# Altium PCB main_control_board_1.1.0.PcbDoc (part 2 of 2)
Units mil, origin at the board's own origin, x right, y up, seen from the top; angles counter-clockwise.
Board outline 3500 x 2800 mil, 2 copper layers (Top Layer, Bottom Layer); 89 components, 79 nets, 373 pads, 122 vias.
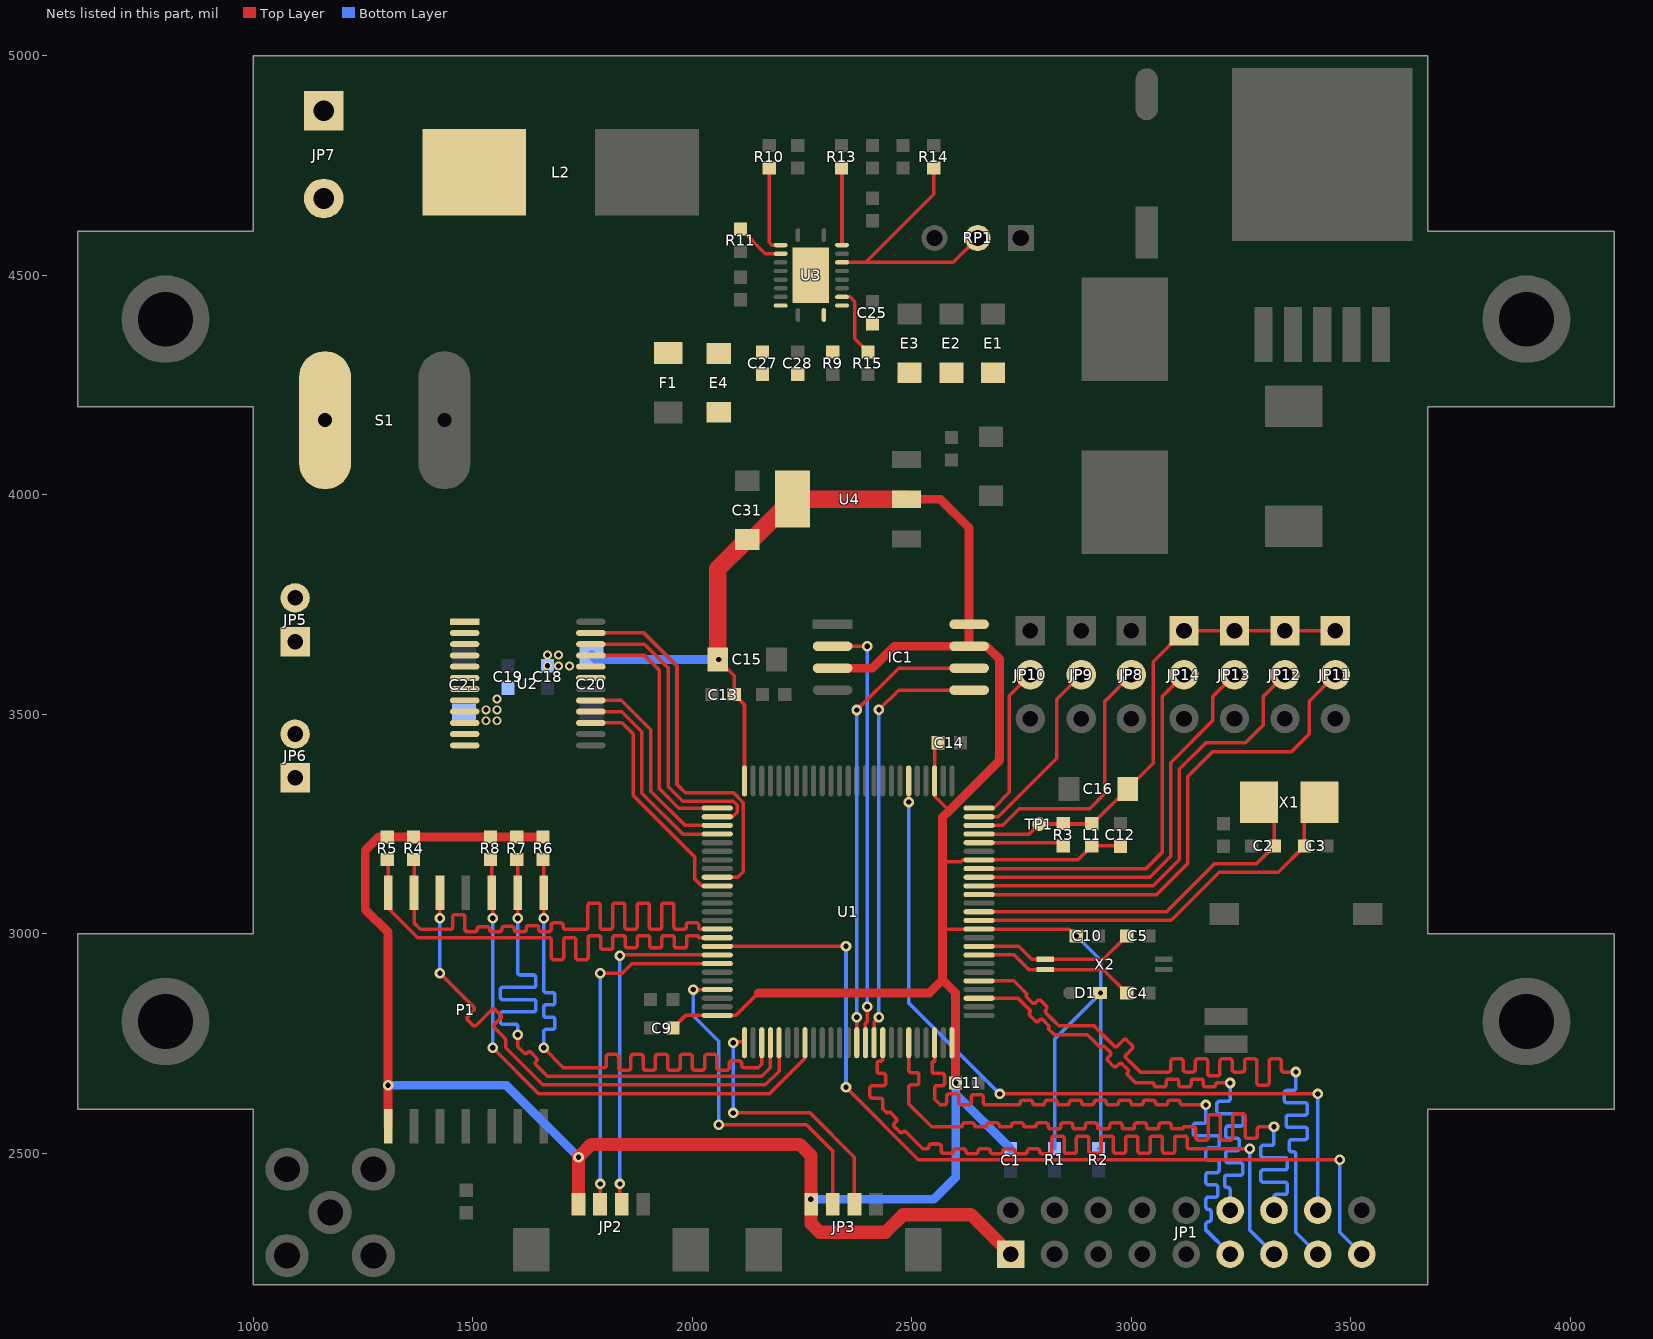
[diagram p2: the nets of this part, all layers, seen from the top]

## Via types
v1: diameter 24, hole 12, Top Layer to Bottom Layer, 98 vias
v2: diameter 20, hole 12, Top Layer to Bottom Layer, 24 vias

## Nets (pads, with @x,y where several pads share a name; then routed paths per layer and width w, separated by ;. In a path a pad name is that pad's centre, name@x,y a point inside that pad or via, vN(x,y) a via of type N, cw(c..) or ccw(c..) an arc to the next point about the centre after c; other vN are vias at no path point) (continued)
NetJP1_11: JP1.11 U1.98 | length 1535.8
  Top Layer w8: U1.98@2551.85,2751.76 2551.85,2737.76 2551.85,2709.76 2551.76,2709.76 ccw(c2551.76,2704.16) 2546.16,2704.16 2546.16,2687.36 ccw(c2551.76,2687.36) 2551.76,2681.76 2551.85,2681.76 2568.81,2681.76 cw(c2568.81,2676.16) 2574.41,2676.16 2574.41,2659.36 cw(c2568.81,2659.36) 2568.81,2653.76 2557.45,2653.76 ccw(c2557.45,2648.16) 2551.85,2648.16 2551.85,2625.76 2551.85,2623.15 2565,2610 2573.4,2610 ccw(c2573.4,2615.6) 2579,2615.6 2579,2629.41 cw(c2584.6,2629.41) 2584.6,2635.01 2601.4,2635.01 cw(c2601.4,2629.41) 2607,2629.41 2607,2615.6 ccw(c2612.6,2615.6) 2612.6,2610 2629.4,2610 ccw(c2629.4,2615.6) 2635,2615.6 2635,2627.41 cw(c2640.6,2627.41) 2640.6,2633.01 2657.4,2633.01 cw(c2657.4,2627.41) 2663,2627.41 2663,2615.6 ccw(c2668.6,2615.6) 2668.6,2610 2691,2610 2719,2610 2741.6,2610 ccw(c2741.6,2615.4) 2747,2615.4 cw(c2752.6,2615.4) 2752.6,2621 2769.4,2621 cw(c2769.4,2615.4) 2775,2615.4 ccw(c2780.4,2615.4) 2780.4,2610 2797.6,2610 ccw(c2797.6,2615.4) 2803,2615.4 cw(c2808.6,2615.4) 2808.6,2621 2825.4,2621 cw(c2825.4,2615.4) 2831,2615.4 ccw(c2836.4,2615.4) 2836.4,2610 2853.6,2610 ccw(c2853.6,2615.4) 2859,2615.4 cw(c2864.6,2615.4) 2864.6,2621 2881.4,2621 cw(c2881.4,2615.4) 2887,2615.4 ccw(c2892.4,2615.4) 2892.4,2610 2909.6,2610 ccw(c2909.6,2615.4) 2915,2615.4 cw(c2920.6,2615.4) 2920.6,2621 2937.4,2621 cw(c2937.4,2615.4) 2943,2615.4 ccw(c2948.4,2615.4) 2948.4,2610 2965.6,2610 ccw(c2965.6,2615.4) 2971,2615.4 cw(c2976.6,2615.4) 2976.6,2621 2993.4,2621 cw(c2993.4,2615.4) 2999,2615.4 ccw(c3004.4,2615.4) 3004.4,2610 3021.6,2610 ccw(c3021.6,2615.4) 3027,2615.4 cw(c3032.6,2615.4) 3032.6,2621 3049.4,2621 cw(c3049.4,2615.4) 3055,2615.4 ccw(c3060.4,2615.4) 3060.4,2610 3077.6,2610 ccw(c3077.6,2615.4) 3083,2615.4 cw(c3088.6,2615.4) 3088.6,2621 3105.4,2621 cw(c3105.4,2615.4) 3111,2615.4 ccw(c3116.4,2615.4) 3116.4,2610 3139,2610 3167,2610 v1(3170,2610)
  Bottom Layer w8: v1(3170,2610) 3170,2596 3170,2573.6 cw(c3164.4,2573.6) 3164.4,2568 3146.6,2568 ccw(c3146.6,2562.4) 3141,2562.4 3141,2545.6 ccw(c3146.6,2545.6) 3146.6,2540 3170,2540 3194.4,2540 cw(c3194.4,2534.4) 3200,2534.4 3200,2517.6 cw(c3194.4,2517.6) 3194.4,2512 3175.6,2512 ccw(c3175.6,2506.4) 3170,2506.4 3170,2489.6 ccw(c3175.6,2489.6) 3175.6,2484 3194.4,2484 cw(c3194.4,2478.4) 3200,2478.4 3200,2461.6 cw(c3194.4,2461.6) 3194.4,2456 3175.6,2456 ccw(c3175.6,2450.4) 3170,2450.4 3170,2433.6 ccw(c3175.6,2433.6) 3175.6,2428 3191.19,2428 cw(c3191.19,2422.4) 3196.79,2422.4 3196.79,2405.6 cw(c3191.19,2405.6) 3191.19,2400 3175.6,2400 ccw(c3175.6,2394.4) 3170,2394.4 3170,2377.6 ccw(c3175.6,2377.6) 3175.6,2372 3176.04,2372 cw(c3176.04,2366.4) 3181.64,2366.4 3181.64,2349.6 cw(c3176.04,2349.6) 3176.04,2344 3175.6,2344 ccw(c3175.6,2338.4) 3170,2338.4 3170,2325 JP1.11@3225,2270
NetJP1_12: JP1.12 U1.3 | length 1304.6
  Top Layer w8: U1.3@2651.26,2853.16 2665.26,2853.16 2693.26,2853.16 2721.26,2853.16 2741.84,2853.16 2751.74,2843.26 2769.32,2825.68 cw(c2767.09,2823.46) 2769.31,2821.23 ccw(c2773.27,2817.27) 2769.32,2813.31 2781.19,2801.43 ccw(c2785.15,2805.39) 2789.11,2801.43 2791.34,2803.66 cw(c2795.03,2799.97) 2798.72,2803.66 2811.14,2791.23 cw(c2807.45,2787.55) 2811.14,2783.86 2825,2770 2900,2770 2909.9,2760.1 2927.47,2742.53 ccw(c2929.7,2744.76) 2931.93,2742.53 cw(c2935.89,2738.57) 2939.85,2742.53 2951.73,2730.65 cw(c2947.77,2726.69) 2951.73,2722.73 2949.5,2720.5 2947.27,2718.27 ccw(c2951.23,2714.32) 2947.27,2710.36 2959.15,2698.48 ccw(c2963.11,2702.44) 2967.07,2698.48 2969.3,2700.7 2971.52,2702.93 cw(c2975.48,2698.97) 2979.44,2702.93 2991.32,2691.05 cw(c2987.36,2687.09) 2991.32,2683.13 ccw(c2993.55,2680.9) 2991.32,2678.68 3008.89,2661.11 3010,2660 3024,2660 3048.6,2660 cw(c3048.6,2656.6) 3052,2656.6 ccw(c3057.6,2656.6) 3057.6,2651 3074.4,2651 ccw(c3074.4,2656.6) 3080,2656.6 3080,2660 3080,2663.4 cw(c3085.6,2663.4) 3085.6,2669 3102.4,2669 cw(c3102.4,2663.4) 3108,2663.4 3108,2660 3108,2656.6 ccw(c3113.6,2656.6) 3113.6,2651 3130.4,2651 ccw(c3130.4,2656.6) 3136,2656.6 3136,2660 3136,2663.4 cw(c3141.6,2663.4) 3141.6,2669 3158.4,2669 cw(c3158.4,2663.4) 3164,2663.4 3164,2660 3164,2656.6 ccw(c3169.6,2656.6) 3169.6,2651 3186.4,2651 ccw(c3186.4,2656.6) 3192,2656.6 cw(c3195.4,2656.6) 3195.4,2660 3220,2660 v1(3225,2660)
  Bottom Layer w8: JP1.12@3225,2370 3225,2394 3225,2416.4 ccw(c3219.4,2416.4) 3219.4,2422 3217.89,2422 cw(c3217.89,2427.6) 3212.29,2427.6 3212.29,2444.4 cw(c3217.89,2444.4) 3217.89,2450 3225,2450 3248.4,2450 ccw(c3248.4,2455.6) 3254,2455.6 3254,2472.4 ccw(c3248.4,2472.4) 3248.4,2478 3225,2478 3221.1,2478 cw(c3221.1,2483.6) 3215.5,2483.6 3215.5,2500.4 cw(c3221.1,2500.4) 3221.1,2506 3225,2506 3240.45,2506 ccw(c3240.45,2511.6) 3246.05,2511.6 3246.05,2528.4 ccw(c3240.45,2528.4) 3240.45,2534 3225,2534 3221.1,2534 cw(c3221.1,2539.6) 3215.5,2539.6 3215.5,2556.4 cw(c3221.1,2556.4) 3221.1,2562 3225,2562 3249.4,2562 ccw(c3249.4,2567.6) 3255,2567.6 3255,2584.4 ccw(c3249.4,2584.4) 3249.4,2590 3225,2590 3200.6,2590 cw(c3200.6,2595.6) 3195,2595.6 3195,2612.4 cw(c3200.6,2612.4) 3200.6,2618 3219.4,2618 ccw(c3219.4,2623.6) 3225,2623.6 3225,2646 v1(3225,2660)
NetJP1_13: JP1.13 U1.92 | length 1868.4
  Top Layer w8: U1.92@2433.74,2753.75 U1.92@2433.74,2751.76 2433.74,2737.76 2433.74,2715.36 cw(c2428.14,2715.36) 2428.14,2709.76 2426.5,2709.76 ccw(c2426.5,2704.16) 2420.9,2704.16 2420.9,2687.36 ccw(c2426.5,2687.36) 2426.5,2681.76 2433.74,2681.76 2434.78,2681.76 cw(c2434.78,2676.16) 2440.38,2676.16 2440.38,2659.36 cw(c2434.78,2659.36) 2434.78,2653.76 2433.74,2653.76 2410.13,2653.76 ccw(c2410.13,2648.16) 2404.53,2648.16 2404.53,2631.36 ccw(c2410.13,2631.36) 2410.13,2625.76 2428.14,2625.76 cw(c2428.14,2620.16) 2433.74,2620.16 2433.74,2601.26 2443.04,2591.96 ccw(c2443.64,2592.55) 2444.24,2591.96 cw(c2448.2,2588) 2452.16,2591.96 2464.04,2580.08 cw(c2460.08,2576.12) 2464.04,2572.16 2463.44,2571.56 2460.36,2568.48 ccw(c2464.32,2564.52) 2460.36,2560.56 2472.24,2548.68 ccw(c2476.2,2552.64) 2480.16,2548.68 ; 2479.6,2548.12 cw(c2483.24,2544.48) 2486.88,2548.12 2503.04,2531.96 2522.84,2512.16 2525,2510 2533.6,2510 ccw(c2533.6,2515.4) 2539,2515.4 cw(c2544.6,2515.4) 2544.6,2521 2561.4,2521 cw(c2561.4,2515.4) 2567,2515.4 2567,2510 2567,2505.39 ccw(c2572.6,2505.39) 2572.6,2499.79 2589.4,2499.79 ccw(c2589.4,2505.39) 2595,2505.39 ; 2479.76,2548.28 2479.99,2548.52 ; 2595,2504.6 cw(c2600.4,2504.6) 2600.4,2510 2617.6,2510 cw(c2617.6,2504.6) 2623,2504.6 ccw(c2628.6,2504.6) 2628.6,2499 2645.4,2499 ccw(c2645.4,2504.6) 2651,2504.6 cw(c2656.4,2504.6) 2656.4,2510 2673.6,2510 cw(c2673.6,2504.6) 2679,2504.6 ccw(c2684.6,2504.6) 2684.6,2499 2701.4,2499 ccw(c2701.4,2504.6) 2707,2504.6 cw(c2712.4,2504.6) 2712.4,2510 2729.6,2510 cw(c2729.6,2504.6) 2735,2504.6 ccw(c2740.6,2504.6) 2740.6,2499 2757.4,2499 ccw(c2757.4,2504.6) 2763,2504.6 cw(c2768.4,2504.6) 2768.4,2510 2785.6,2510 cw(c2785.6,2504.6) 2791,2504.6 ccw(c2796.6,2504.6) 2796.6,2499 2813.4,2499 ccw(c2813.4,2504.6) 2819,2504.6 2819,2510 2819,2533.61 cw(c2824.6,2533.61) 2824.6,2539.21 2841.4,2539.21 cw(c2841.4,2533.61) 2847,2533.61 2847,2510 2847,2505.39 ccw(c2852.6,2505.39) 2852.6,2499.79 2869.4,2499.79 ccw(c2869.4,2505.39) 2875,2505.39 2875,2510 2875,2533.61 cw(c2880.6,2533.61) 2880.6,2539.21 2897.4,2539.21 cw(c2897.4,2533.61) 2903,2533.61 2903,2510 2903,2505.39 ccw(c2908.6,2505.39) 2908.6,2499.79 2925.4,2499.79 ccw(c2925.4,2505.39) 2931,2505.39 2931,2510 2931,2533.61 cw(c2936.6,2533.61) 2936.6,2539.21 2953.4,2539.21 cw(c2953.4,2533.61) 2959,2533.61 2959,2510 2959,2505.39 ccw(c2964.6,2505.39) 2964.6,2499.79 2981.4,2499.79 ccw(c2981.4,2505.39) 2987,2505.39 2987,2510 2987,2533.61 cw(c2992.6,2533.61) 2992.6,2539.21 3009.4,2539.21 cw(c3009.4,2533.61) 3015,2533.61 3015,2510 3015,2505.39 ccw(c3020.6,2505.39) 3020.6,2499.79 3037.4,2499.79 ccw(c3037.4,2505.39) 3043,2505.39 3043,2510 3043,2533.61 cw(c3048.6,2533.61) 3048.6,2539.21 3065.4,2539.21 cw(c3065.4,2533.61) 3071,2533.61 3071,2510 3071,2505.39 ccw(c3076.6,2505.39) 3076.6,2499.79 3093.4,2499.79 ccw(c3093.4,2505.39) 3099,2505.39 3099,2510 3099,2533.61 cw(c3104.6,2533.61) 3104.6,2539.21 3121.4,2539.21 cw(c3121.4,2533.61) 3127,2533.61 3127,2515.6 ccw(c3132.6,2515.6) 3132.6,2510 3145,2510 3165,2510 v1(3270,2510) ; 2595,2504.83 2595,2505.16
  Bottom Layer w8: v1(3270,2510) 3270,2325 JP1.13@3325,2270
NetJP1_14: JP1.14 U1.95 | length 1836.8
  Top Layer w8: U1.95@2492.8,2753.75 2492.8,2739.75 2492.8,2711.75 2492.8,2689.35 ccw(c2498.4,2689.35) 2498.4,2683.75 2510.57,2683.75 cw(c2510.57,2678.15) 2516.17,2678.15 2516.17,2661.35 cw(c2510.57,2661.35) 2510.57,2655.75 2498.4,2655.75 ccw(c2498.4,2650.15) 2492.8,2650.15 2492.8,2627.75 2492.8,2612.2 2545,2560 2559,2560 2587,2560 2611.6,2560 ccw(c2611.6,2563.4) 2615,2563.4 cw(c2620.6,2563.4) 2620.6,2569 2637.4,2569 cw(c2637.4,2563.4) 2643,2563.4 ccw(c2646.4,2563.4) 2646.4,2560 2667.6,2560 ccw(c2667.6,2563.4) 2671,2563.4 cw(c2676.6,2563.4) 2676.6,2569 2693.4,2569 cw(c2693.4,2563.4) 2699,2563.4 ccw(c2702.4,2563.4) 2702.4,2560 2723.6,2560 ccw(c2723.6,2563.4) 2727,2563.4 cw(c2732.6,2563.4) 2732.6,2569 2749.4,2569 cw(c2749.4,2563.4) 2755,2563.4 ccw(c2758.4,2563.4) 2758.4,2560 2779.6,2560 ccw(c2779.6,2563.4) 2783,2563.4 cw(c2788.6,2563.4) 2788.6,2569 2805.4,2569 cw(c2805.4,2563.4) 2811,2563.4 2811,2560 ccw(c2815.48,2560) 2815.48,2555.52 2834.52,2555.52 ccw(c2834.52,2560) 2839,2560 2839,2563.4 cw(c2844.6,2563.4) 2844.6,2569 2861.4,2569 cw(c2861.4,2563.4) 2867,2563.4 2867,2560 ccw(c2871.48,2560) 2871.48,2555.52 2890.52,2555.52 ccw(c2890.52,2560) 2895,2560 2895,2563.4 cw(c2900.6,2563.4) 2900.6,2569 2917.4,2569 cw(c2917.4,2563.4) 2923,2563.4 2923,2560 ccw(c2927.48,2560) 2927.48,2555.52 2946.52,2555.52 ccw(c2946.52,2560) 2951,2560 2951,2563.4 cw(c2956.6,2563.4) 2956.6,2569 2973.4,2569 cw(c2973.4,2563.4) 2979,2563.4 2979,2560 ccw(c2983.48,2560) 2983.48,2555.52 3002.52,2555.52 ccw(c3002.52,2560) 3007,2560 3007,2563.4 cw(c3012.6,2563.4) 3012.6,2569 3029.4,2569 cw(c3029.4,2563.4) 3035,2563.4 3035,2560 ccw(c3039.48,2560) 3039.48,2555.52 3058.52,2555.52 ccw(c3058.52,2560) 3063,2560 3063,2563.4 cw(c3068.6,2563.4) 3068.6,2569 3085.4,2569 cw(c3085.4,2563.4) 3091,2563.4 3091,2560 ccw(c3095.48,2560) 3095.48,2555.52 3114.52,2555.52 ccw(c3114.52,2560) 3119,2560 3141.4,2560 cw(c3141.4,2554.4) 3147,2554.4 3147,2535.6 ccw(c3152.6,2535.6) 3152.6,2530 3169.4,2530 ccw(c3169.4,2535.6) 3175,2535.6 3175,2560 3175,2582.36 cw(c3180.6,2582.36) 3180.6,2587.96 3197.4,2587.96 cw(c3197.4,2582.36) 3203,2582.36 3203,2560 3203,2535.6 ccw(c3208.6,2535.6) 3208.6,2530 3225.4,2530 ccw(c3225.4,2535.6) 3231,2535.6 3231,2560 3231,2584.4 cw(c3236.6,2584.4) 3236.6,2590 3253.4,2590 cw(c3253.4,2584.4) 3259,2584.4 3259,2560 3259,2539.6 ccw(c3264.6,2539.6) 3264.6,2534 3281.4,2534 ccw(c3281.4,2539.6) 3287,2539.6 3287,2554.4 cw(c3292.6,2554.4) 3292.6,2560 3315,2560 v1(3325,2560)
  Bottom Layer w8: JP1.14@3325,2370 3325,2378 3325,2400.4 cw(c3330.6,2400.4) 3330.6,2406 3349.4,2406 ccw(c3349.4,2411.6) 3355,2411.6 3355,2428.4 ccw(c3349.4,2428.4) 3349.4,2434 3325,2434 3300.6,2434 cw(c3300.6,2439.6) 3295,2439.6 3295,2456.4 cw(c3300.6,2456.4) 3300.6,2462 3325,2462 3349.4,2462 ccw(c3349.4,2467.6) 3355,2467.6 3355,2484.4 ccw(c3349.4,2484.4) 3349.4,2490 3325,2490 3300.6,2490 cw(c3300.6,2495.6) 3295,2495.6 3295,2512.4 cw(c3300.6,2512.4) 3300.6,2518 3319.4,2518 ccw(c3319.4,2523.6) 3325,2523.6 3325,2546 v1(3325,2560)
NetJP1_15: JP1.15 U1.5 | length 1850.9
  Top Layer w8: U1.5@2651.26,2892.53 2732.47,2892.53 2742.37,2882.63 2762.17,2862.83 ccw(c2765.86,2859.14) 2762.17,2855.45 2774.6,2843.03 ccw(c2778.28,2846.72) 2781.97,2843.03 2786.3,2847.36 cw(c2790.26,2843.4) 2794.22,2847.36 2806.1,2835.48 cw(c2802.14,2831.52) 2806.1,2827.56 2805.73,2827.19 ccw(c2809.69,2823.23) 2805.73,2819.27 2821.57,2803.43 2835,2790 2915,2790 2924.9,2780.1 2944.7,2760.3 2960.54,2744.46 ccw(c2964.5,2748.42) 2968.46,2744.46 2981.75,2757.76 cw(c2985.71,2753.8) 2989.67,2757.76 3001.55,2745.88 cw(c2997.59,2741.92) 3001.55,2737.96 2988.26,2724.66 ccw(c2992.22,2720.7) 2988.26,2716.74 3004.1,2700.9 3020,2685 3034,2685 3062,2685 3084.4,2685 ccw(c3084.4,2690.6) 3090,2690.6 3090,2709.4 cw(c3095.6,2709.4) 3095.6,2715 3112.4,2715 cw(c3112.4,2709.4) 3118,2709.4 3118,2690.6 ccw(c3123.6,2690.6) 3123.6,2685 3140.4,2685 ccw(c3140.4,2690.6) 3146,2690.6 3146,2709.4 cw(c3151.6,2709.4) 3151.6,2715 3168.4,2715 cw(c3168.4,2709.4) 3174,2709.4 3174,2685 3174,2681.6 ccw(c3179.6,2681.6) 3179.6,2676 3196.4,2676 ccw(c3196.4,2681.6) 3202,2681.6 3202,2685 3202,2709.4 cw(c3207.6,2709.4) 3207.6,2715 3224.4,2715 cw(c3224.4,2709.4) 3230,2709.4 3230,2690.6 ccw(c3235.6,2690.6) 3235.6,2685 3252.4,2685 ccw(c3252.4,2690.6) 3258,2690.6 3258,2709.4 cw(c3263.6,2709.4) 3263.6,2715 3280.4,2715 cw(c3280.4,2709.4) 3286,2709.4 3286,2685 3286,2660.6 ccw(c3291.6,2660.6) 3291.6,2655 3308.4,2655 ccw(c3308.4,2660.6) 3314,2660.6 3314,2685 3314,2709.4 cw(c3319.6,2709.4) 3319.6,2715 3336.4,2715 cw(c3336.4,2709.4) 3342,2709.4 3342,2690.6 ccw(c3347.6,2690.6) 3347.6,2685 3370,2685 v1(3375,2685)
  Bottom Layer w8: v1(3375,2685) 3375,2671 3375,2648.6 cw(c3369.4,2648.6) 3369.4,2643 3354.45,2643 ccw(c3354.45,2637.4) 3348.85,2637.4 3348.85,2620.6 ccw(c3354.45,2620.6) 3354.45,2615 3375,2615 3395.55,2615 cw(c3395.55,2609.4) 3401.15,2609.4 3401.15,2592.6 cw(c3395.55,2592.6) 3395.55,2587 3375,2587 3358.08,2587 ccw(c3358.08,2581.4) 3352.48,2581.4 3352.48,2564.6 ccw(c3358.08,2564.6) 3358.08,2559 3375,2559 3395.55,2559 cw(c3395.55,2553.4) 3401.15,2553.4 3401.15,2536.6 cw(c3395.55,2536.6) 3395.55,2531 3375,2531 3365.66,2531 ccw(c3365.66,2525.4) 3360.06,2525.4 3360.06,2508.6 ccw(c3365.66,2508.6) 3365.66,2503 3369.4,2503 cw(c3369.4,2497.4) 3375,2497.4 3375,2475 3375,2320 JP1.15@3425,2270
NetJP1_16: JP1.16 U1.31 | length 1787.1
  Top Layer w8: v1(2492.8,3300) U1.31@2492.8,3346.27 ; v1(2700,2635) v1(3425,2635)
  Bottom Layer w8: v1(2492.8,3300) 2492.8,2842.2 v1(2700,2635) ; JP1.16@3425,2370 v1(3425,2635)
NetJP1_17: JP1.17 U1.67 | length 2041.6
  Top Layer w8: U1.67@2058.74,2971.27 v1(2350,2971.27) ; v1(2350,2650) 2515,2485 v1(3475,2485)
  Bottom Layer w8: v1(2350,2650) v1(2350,2971.27) ; v1(3475,2485) 3475,2320 JP1.17@3525,2270
NetJP2_2: JP2.2 U1.69 | length 801.9
  Top Layer w8: JP2.2@1789.85,2384 1790,2384.15 v1(1790,2430) ; v1(1790,2910) 1840,2910 1861.9,2931.9 U1.69@2056.76,2931.9
  Bottom Layer w8: v1(1790,2430) v1(1790,2910)
NetJP2_3: JP2.3 U1.68 | length 790.1
  Top Layer w8: v1(1835,2430) 1835,2388.06 JP2.3@1839.06,2384 ; v1(1835,2950) 1836.58,2951.58 U1.68@2056.76,2951.58
  Bottom Layer w8: v1(1835,2430) v1(1835,2950)
NetJP3_2: JP3.2 U1.72 | length 794.4
  Top Layer w8: v1(2002.16,2872.84) U1.72@2058.74,2872.84 ; v1(2060,2565) 2260,2565 2319.85,2505.15 JP3.2@2319.85,2384 JP3.2@2320,2384.15
  Bottom Layer w8: v1(2002.16,2872.84) 2002.16,2812.84 2060,2755 v1(2060,2565)
NetJP3_3: JP3.3 U1.76 | length 612.2
  Top Layer w8: v1(2093.24,2591.76) 2268.24,2591.76 2369.06,2490.94 JP3.3@2369.06,2384 JP3.3@2370,2384.94 ; v1(2093.24,2751.76) 2095.22,2753.75 U1.76@2118.78,2753.75
  Bottom Layer w8: v1(2093.24,2591.76) v1(2093.24,2751.76)
NetJP5_1: JP5.1 U2.5 U2.6
NetJP5_2: JP5.2 U2.1 U2.2
NetJP6_1: JP6.1 U2.11 U2.12
NetJP6_2: JP6.2 U2.7 U2.8
NetJP7_2: JP7.2 S1.2
NetJP8_2: JP8.2 U1.23 | length 611.9
  Top Layer w8: U1.23@2653.24,3246.86 2706.86,3246.86 2745,3285 2905,3285 2940,3320 2940,3530 JP8.2@3000,3590
NetJP9_2: JP9.2 U1.24 | length 445.2
  Top Layer w8: U1.24@2653.24,3266.54 2696.54,3266.54 2830,3400 2830,3534 JP9.2@2886,3590
NetJP10_2: JP10.2 U1.25 | length 371.5
  Top Layer w8: U1.25@2653.24,3286.23 2686.23,3286.23 2722,3322 2722,3542 JP10.2@2770,3590
NetJP11_2: JP11.2 U1.15 | length 1179.3
  Top Layer w8: U1.15@2653.24,3089.38 3057.89,3089.38 3129.06,3160.54 3129.06,3359.06 3185,3415 3365,3415 3405,3455 3405,3530 JP11.2@3465,3590
NetJP12_2: JP12.2 U1.16 | length 1054.5
  Top Layer w8: U1.16@2653.24,3109.06 3049.74,3109.06 3109.37,3168.69 3109.37,3374.37 3170,3435 3260,3435 3300,3475 3300,3540 JP12.2@3350,3590
NetJP13_2: JP13.2 U1.17 | length 929.7
  Top Layer w8: U1.17@2653.24,3128.75 3041.59,3128.75 3089.68,3176.85 3089.68,3389.68 3185,3485 3185,3540 JP13.2@3235,3590
NetJP14_2: JP14.2 U1.18 | length 857.6
  Top Layer w8: U1.18@2653.24,3148.43 3033.43,3148.43 3070,3185 3070,3540 JP14.2@3120,3590
NetR3_2: R3.2 U1.21 | length 194.9
  Top Layer w8: U1.21@2653.24,3207.49 2837.51,3207.49 R3.2@2845,3200
NetR10_1: R10.1 U3.2 | length 198
  Top Layer w8: R10.1@2175,4744.41 2175,4575 2181.1,4568.9 U3.2@2201.1,4568.9
NetR11_1: R11.1 U3.3 | length 114.5
  Top Layer w8: R11.1@2110,4605.59 2166.38,4549.21 U3.3@2201.1,4549.21
NetR13_1: R13.1 U3.19 | length 175.9
  Top Layer w8: R13.1@2340,4744.41 2340.9,4743.51 U3.19@2340.9,4568.9
NetR14_2: R14.2 RP1.2 U3.17 | length 611.2
  Top Layer w8: U3.17@2340.9,4529.53 2395,4529.53 ; R14.2@2550,4744.41 2550,4684.52 2395,4529.53 ; RP1.2@2650,4585 2594.53,4529.53 2395,4529.53
NetR15_1: R15.1 U3.13 | length 160.4
  Top Layer w8: U3.13@2340.9,4450.79 2359.21,4450.79 2370,4440 2370,4355.59 R15.1@2400,4325.59
NetU1_51: U1.51 U2.21 | length 590.3
  Top Layer w8: U2.21@1768.7,3633.98 1891.02,3633.98 1925,3600 1925,3330 1968.77,3286.23 U1.51@2056.76,3286.23
NetU1_52: U1.52 U2.22 | length 709.3
  Top Layer w8: U2.22@1768.7,3659.57 1890.89,3659.57 1945,3605.46 1945,3335 1977.87,3302.13 2092.87,3302.13 2102.19,3292.82 2102.19,3277.19 2091.54,3266.54 U1.52@2056.76,3266.54
NetU1_53: U1.53 U2.17 | length 488
  Top Layer w8: U2.17@1768.7,3531.61 1838.39,3531.61 1905,3465 1905,3325 1983.14,3246.86 U1.53@2056.76,3246.86
NetU1_54: U1.54 U2.16 | length 485.6
  Top Layer w8: U2.16@1768.7,3506.02 1838.98,3506.02 1885,3460 1885,3320 1977.83,3227.17 U1.54@2056.76,3227.17
NetU1_59: U1.59 U2.23 | length 885.9
  Top Layer w8: U2.23@1768.7,3685.16 1889.84,3685.16 1965,3610 1965,3340 1983.87,3321.13 2093.67,3321.13 2116.27,3298.54 2116.27,3141.27 2103.75,3128.75 U1.59@2058.74,3128.75
NetU1_60: U1.60 U2.15 | length 553.2
  Top Layer w8: U2.15@1768.7,3480.43 1839.57,3480.43 1865,3455 1865,3315 2005,3175 2005,3125 2020.94,3109.06 U1.60@2056.76,3109.06
OSC32_IN: C4.1 U1.8 X2.1 | length 372
  Top Layer w8: U1.8@2653.24,2951.58 2733.42,2951.58 2766.8,2918.2 X2.1@2804.18,2918.2 2936.21,2918.2 C4.1@2989.41,2865
OSC32_OUT: C5.1 U1.9 X2.4 | length 370.4
  Top Layer w8: U1.9@2653.24,2971.27 2743.73,2971.27 2773.18,2941.82 X2.4@2804.18,2941.82 2936.23,2941.82 C5.1@2989.41,2995
OSC_IN: C3.2 U1.12 X1.2 | length 925.7
  Top Layer w8: U1.12@2653.24,3030.32 3090.78,3030.32 3200.46,3140 3334.41,3140 C3.2@3394.41,3200 3394.41,3265.51 X1.2@3428.9,3300
OSC_OUT: C2.2 U1.13 X1.1 | length 848.8
  Top Layer w8: U1.13@2653.24,3050.01 3080.01,3050.01 3190,3160 3285.59,3160 C2.2@3325.59,3200 3325.59,3265.51 X1.1@3291.1,3300
PGND: C19.1 C21.2 C25.1 C27.1 C28.1 E1.2 E2.2 E3.2 E4.2 JP7.1 R9.1 U2.3 U2.4 U2.9 U2.10 U3.11 U3.12 U3.21
  other v2: 1530,3485 1555,3485 1530,3510 1555,3510 1555,3535
SDIO_CK: P1.5 U1.80 | length 1258.8
  Top Layer w8: v1(1424.96,2910) 1469.98,2864.98 1501.74,2833.22 cw(c1497.78,2829.26) 1501.74,2825.3 1487.99,2811.54 ccw(c1491.95,2807.58) 1487.99,2803.62 1499.87,2791.74 ccw(c1503.83,2795.7) 1507.79,2791.74 1525.5,2809.46 1543.22,2827.17 cw(c1547.18,2823.21) 1551.14,2827.17 1563.02,2815.29 cw(c1559.06,2811.33) 1563.02,2807.37 1549.26,2793.62 ccw(c1553.22,2789.66) 1549.26,2785.7 1565.1,2769.86 1575,2759.96 1575,2740 1659.37,2655.63 2166.31,2655.63 2197.52,2686.84 U1.80@2197.52,2751.76 ; v1(1424.96,3035) P1.5@1424.96,3093.15
  Bottom Layer w8: v1(1424.96,2910) v1(1424.96,3035)
SDIO_CMD: P1.3 R8.1 U1.83 | length 1255.5
  Top Layer w8: R8.1@1540,3169.41 1543.07,3166.34 P1.3@1543.07,3093.15 1545,3091.22 v1(1545,3035) ; v1(1545,2740) 1650,2635 2175,2635 2256.57,2716.57 U1.83@2256.57,2751.76
  Bottom Layer w8: v1(1545,2740) v1(1545,3035)
SDIO_D0: P1.6 R4.2 U1.65 | length 1438.5
  Top Layer w8: R4.2@1365,3169.41 1365.91,3168.5 P1.6@1365.91,3093.15 1365.91,3024.55 1380.46,3010 1395,3010 1448.4,3010 ccw(c1448.4,3015.6) 1454,3015.6 1454,3038.18 cw(c1459.6,3038.18) 1459.6,3043.78 1476.4,3043.78 cw(c1476.4,3038.18) 1482,3038.18 1482,3010 ccw(c1487.05,3010) 1487.05,3004.95 1504.95,3004.95 ccw(c1504.95,3010) 1510,3010 1510,3010.45 cw(c1515.6,3010.45) 1515.6,3016.05 1532.4,3016.05 cw(c1532.4,3010.45) 1538,3010.45 1538,3010 ccw(c1543.05,3010) 1543.05,3004.95 1560.95,3004.95 ccw(c1560.95,3010) 1566,3010 1566,3011.06 cw(c1571.6,3011.06) 1571.6,3016.66 1588.4,3016.66 cw(c1588.4,3011.06) 1594,3011.06 1594,3010 ccw(c1599.05,3010) 1599.05,3004.95 1616.95,3004.95 ccw(c1616.95,3010) 1622,3010 1622,3013.09 cw(c1627.6,3013.09) 1627.6,3018.69 1644.4,3018.69 cw(c1644.4,3013.09) 1650,3013.09 1650,3010 ccw(c1655.05,3010) 1655.05,3004.95 1672.95,3004.95 ccw(c1672.95,3010) 1678,3010 1678,3018.91 cw(c1683.6,3018.91) 1683.6,3024.51 1700.4,3024.51 cw(c1700.4,3018.91) 1706,3018.91 1706,3015.6 ccw(c1711.6,3015.6) 1711.6,3010 1720,3010 1734.12,3010 1756.52,3010 ccw(c1756.52,3015.6) 1762.12,3015.6 1762.12,3064.4 cw(c1767.72,3064.4) 1767.72,3070 1784.52,3070 cw(c1784.52,3064.4) 1790.12,3064.4 1790.12,3015.6 ccw(c1795.72,3015.6) 1795.72,3010 1812.52,3010 ccw(c1812.52,3015.6) 1818.12,3015.6 1818.12,3064.4 cw(c1823.72,3064.4) 1823.72,3070 1840.52,3070 cw(c1840.52,3064.4) 1846.12,3064.4 1846.12,3015.6 ccw(c1851.72,3015.6) 1851.72,3010 1868.52,3010 ccw(c1868.52,3015.6) 1874.12,3015.6 1874.12,3064.4 cw(c1879.72,3064.4) 1879.72,3070 1896.52,3070 cw(c1896.52,3064.4) 1902.12,3064.4 1902.12,3015.6 ccw(c1907.72,3015.6) 1907.72,3010 1924.52,3010 ccw(c1924.52,3015.6) 1930.12,3015.6 1930.12,3064.4 cw(c1935.72,3064.4) 1935.72,3070 1952.52,3070 cw(c1952.52,3064.4) 1958.12,3064.4 1958.12,3015.6 ccw(c1963.72,3015.6) 1963.72,3010 1980.52,3010 ccw(c1980.52,3015.6) 1986.12,3015.6 1986.12,3019.72 cw(c1991.72,3019.72) 1991.72,3025.32 2008.52,3025.32 cw(c2008.52,3019.72) 2014.12,3019.72 2014.12,3015.6 ccw(c2019.72,3015.6) 2019.72,3010 2042.12,3010 2056.12,3010 U1.65@2056.76,3010.64
SDIO_D1: P1.7 R5.1 U1.66 | length 1273.9
  Top Layer w8: R5.1@1305,3169.41 1306.85,3167.56 P1.7@1306.85,3093.15 1306.85,3058.15 1374.05,2990.95 1645,2990.95 1673.16,2990.95 cw(c1673.16,2985.35) 1678.76,2985.35 1678.76,2946.55 ccw(c1684.36,2946.55) 1684.36,2940.95 1701.16,2940.95 ccw(c1701.16,2946.55) 1706.76,2946.55 1706.76,2985.35 cw(c1712.36,2985.35) 1712.36,2990.95 1729.16,2990.95 cw(c1729.16,2985.35) 1734.76,2985.35 1734.76,2946.55 ccw(c1740.36,2946.55) 1740.36,2940.95 1757.16,2940.95 ccw(c1757.16,2946.55) 1762.76,2946.55 1762.76,2990.95 cw(c1767.74,2990.95) 1767.74,2995.93 1785.77,2995.93 cw(c1785.77,2990.95) 1790.76,2990.95 1790.76,2969.97 ccw(c1796.36,2969.97) 1796.36,2964.37 1813.16,2964.37 ccw(c1813.16,2969.97) 1818.76,2969.97 1818.76,2990.95 cw(c1823.74,2990.95) 1823.74,2995.93 1841.77,2995.93 cw(c1841.77,2990.95) 1846.76,2990.95 1846.76,2973.98 ccw(c1852.36,2973.98) 1852.36,2968.38 1869.16,2968.38 ccw(c1869.16,2973.98) 1874.76,2973.98 1874.76,2990.95 cw(c1879.74,2990.95) 1879.74,2995.93 1897.77,2995.93 cw(c1897.77,2990.95) 1902.76,2990.95 1902.76,2973.18 ccw(c1908.36,2973.18) 1908.36,2967.58 1925.16,2967.58 ccw(c1925.16,2973.18) 1930.76,2973.18 1930.76,2990.95 cw(c1935.74,2990.95) 1935.74,2995.93 1953.77,2995.93 cw(c1953.77,2990.95) 1958.76,2990.95 1958.76,2973.18 ccw(c1964.36,2973.18) 1964.36,2967.58 1981.16,2967.58 ccw(c1981.16,2973.18) 1986.76,2973.18 1986.76,2990.95 cw(c1991.74,2990.95) 1991.74,2995.93 2009.77,2995.93 cw(c2009.77,2990.95) 2014.76,2990.95 2042.76,2990.95 U1.66@2056.76,2990.95
SDIO_D2: P1.1 R6.1 U1.78 | length 1410.6
  Top Layer w8: R6.1@1660,3169.41 1661.18,3168.23 P1.1@1661.18,3093.15 v1(1661.18,3035) ; v1(1661.18,2740) 1706.18,2695 1790,2695 1798.4,2695 ccw(c1798.4,2700.6) 1804,2700.6 1804,2719.4 cw(c1809.6,2719.4) 1809.6,2725 1826.4,2725 cw(c1826.4,2719.4) 1832,2719.4 1832,2695 1832,2694.91 ccw(c1837.6,2694.91) 1837.6,2689.31 1854.4,2689.31 ccw(c1854.4,2694.91) 1860,2694.91 1860,2695 1860,2719.4 cw(c1865.6,2719.4) 1865.6,2725 1882.4,2725 cw(c1882.4,2719.4) 1888,2719.4 1888,2695 1888,2694.91 ccw(c1893.6,2694.91) 1893.6,2689.31 1910.4,2689.31 ccw(c1910.4,2694.91) 1916,2694.91 1916,2695 1916,2719.4 cw(c1921.6,2719.4) 1921.6,2725 1938.4,2725 cw(c1938.4,2719.4) 1944,2719.4 1944,2695 1944,2694.91 ccw(c1949.6,2694.91) 1949.6,2689.31 1966.4,2689.31 ccw(c1966.4,2694.91) 1972,2694.91 1972,2695 1972,2719.4 cw(c1977.6,2719.4) 1977.6,2725 1994.4,2725 cw(c1994.4,2719.4) 2000,2719.4 2000,2695 2000,2694.91 ccw(c2005.6,2694.91) 2005.6,2689.31 2022.4,2689.31 ccw(c2022.4,2694.91) 2028,2694.91 2028,2695 2028,2719.4 cw(c2033.6,2719.4) 2033.6,2725 2050.4,2725 cw(c2050.4,2719.4) 2056,2719.4 2056,2695 2056,2694.91 ccw(c2061.6,2694.91) 2061.6,2689.31 2078.4,2689.31 ccw(c2078.4,2694.91) 2084,2694.91 2084,2695 2084,2704.65 cw(c2089.6,2704.65) 2089.6,2710.25 2106.4,2710.25 cw(c2106.4,2704.65) 2112,2704.65 2112,2700.6 ccw(c2117.6,2700.6) 2117.6,2695 2140,2695 2150,2695 2158.15,2703.15 U1.78@2158.15,2751.76
  Bottom Layer w8: v1(1661.18,2740) 1661.18,2754 1661.18,2776.4 cw(c1666.78,2776.4) 1666.78,2782 1681.25,2782 ccw(c1681.25,2787.6) 1686.85,2787.6 1686.85,2804.4 ccw(c1681.25,2804.4) 1681.25,2810 1666.78,2810 cw(c1666.78,2815.6) 1661.18,2815.6 1661.18,2832.4 cw(c1666.78,2832.4) 1666.78,2838 1681.25,2838 ccw(c1681.25,2843.6) 1686.85,2843.6 1686.85,2860.4 ccw(c1681.25,2860.4) 1681.25,2866 1666.78,2866 cw(c1666.78,2871.6) 1661.18,2871.6 1661.18,2910 v1(1661.18,3035)
SDIO_D3: P1.2 R7.1 U1.79 | length 1410.6
  Top Layer w8: R7.1@1600,3169.41 1602.13,3167.28 P1.2@1602.13,3093.15 v1(1602.13,3035) ; v1(1602.13,2770) 1602.13,2742.87 1616.23,2728.77 ccw(c1620.19,2732.73) 1624.15,2728.77 1624.78,2729.41 cw(c1628.74,2725.45) 1632.7,2729.41 1644.58,2717.53 cw(c1640.62,2713.57) 1644.58,2709.61 1643.95,2708.97 ccw(c1647.91,2705.01) 1643.95,2701.05 1659.79,2685.21 1669.68,2675.32 1691,2675.32 1705,2675.32 2158.15,2675.32 2177.83,2695 U1.79@2177.83,2751.76
  Bottom Layer w8: v1(1602.13,2770) 1602.13,2780 1602.13,2788.4 ccw(c1596.53,2788.4) 1596.53,2794 1568.18,2794 cw(c1568.18,2799.6) 1562.58,2799.6 1562.58,2816.4 cw(c1568.18,2816.4) 1568.18,2822 1602.13,2822 1638,2822 ccw(c1638,2827.6) 1643.6,2827.6 1643.6,2844.4 ccw(c1638,2844.4) 1638,2850 1602.13,2850 1568.18,2850 cw(c1568.18,2855.6) 1562.58,2855.6 1562.58,2872.4 cw(c1568.18,2872.4) 1568.18,2878 1602.13,2878 1638,2878 ccw(c1638,2883.6) 1643.6,2883.6 1643.6,2900.4 ccw(c1638,2900.4) 1638,2906 1607.73,2906 cw(c1607.73,2911.6) 1602.13,2911.6 1602.13,2925 v1(1602.13,3035)
SPI1_MISO: IC1.2 U1.90 | length 982.2
  Top Layer w8: IC1.2@2319.49,3655 v1(2398.68,3655) ; U1.90@2394.37,2753.75 2394.37,2795.43 2398.68,2799.74 v1(2398.68,2833.68)
  Bottom Layer w8: v1(2398.68,2833.68) v1(2398.68,3655)
SPI1_MOSI: IC1.5 U1.91 | length 984.9
  Top Layer w8: U1.91@2414.06,2753.75 2414.06,2799.06 v1(2425,2810) ; v1(2425,3510) 2470,3555 IC1.5@2630.51,3555
  Bottom Layer w8: v1(2425,2810) v1(2425,3510)
SPI1_SCK: IC1.6 U1.89 | length 1051.7
  Top Layer w8: U1.89@2374.68,2753.75 v1(2374.68,2809.68) ; v1(2374.68,3509.68) 2470,3605 IC1.6@2630.51,3605
  Bottom Layer w8: v1(2374.68,3509.68) v1(2374.68,2809.68) v1@2375,2810
VCC: C1.2 C9.2 C10.2 C11.2 C12.2 C13.2 C14.2 C15.1 C18.2 C20.1 C31.1 D1.1 IC1.3 IC1.7 IC1.8 JP1.1 JP2.1 JP3.1 L1.2 P1.8 R1.2 R2.2 R4.1 R5.2 R6.2 R7.2 R8.2 U1.11 U1.19 U1.28 U1.50 U1.75 U1.100 U2.19 U2.20 U4.2 | length 9290.4
  Top Layer w8: C9.2@1955.59,2785 1984.38,2813.79 U1.75@2056.76,2813.79 ; U1.75@2058.74,2813.79 2098.79,2813.79 2150,2865 ; C15.1@2059.04,3624.04 2095.59,3587.48 C13.2@2095.59,3545 2118.78,3521.8 U1.50@2118.78,3348.25 ; U1.28@2551.85,3346.27 2551.85,3313.15 2585,3280 ; U1.28@2551.85,3348.25 2551.85,3427.44 C14.2@2559.41,3435 ; 2570,3010 2570.64,3010.64 U1.11@2651.26,3010.64 ; 2570,3170 2576.2,3163.8 2612.14,3163.8 2616.45,3168.12 U1.19@2651.26,3168.12 ; U1.11@2653.24,3010.64 2858.78,3010.64 v1(2874.41,2995) ; U1.19@2653.24,3168.12 2878.12,3168.12 L1.2@2910,3200 2974.41,3200 C12.2@2975,3199.41 ; D1.1@2928.46,2865 2925,2861.54 2925,2860 v1(2930,2865)
  Top Layer w20: P1.8@1306.85,2561.65 v1(1306.85,2655) 1306.85,3003.15 1255,3055 1255,3190 1285.59,3220.59 R5.2@1305,3220.59 R8.2@1540,3220.59 R7.2@1600,3220.59 R6.2@1660,3220.59 ; 2150,2865 2540,2865 2570,2895 ; IC1.3@2319.49,3605 2410,3605 2460,3655 IC1.7@2630.51,3655 ; U4.2@2487.95,3990 2565,3990 2630.51,3924.49 IC1.8@2630.51,3705 IC1.7@2630.51,3655 ; C11.2@2599.41,2660 2599.41,2865.59 2570,2895 ; 2570,2895 2570,3010 2570,3170 2570,3265 2585,3280 2700,3395 2700,3625 2670,3655 IC1.7@2630.51,3655
  Top Layer w30: JP2.1@1740.64,2384 v1(1740.64,2490.64) 1770,2520 2245,2520 2270,2495 v2(2270,2395) ; JP3.1@2270.64,2384 2270.64,2339.36 2290,2320 2440,2320 2480,2360 2635,2360 JP1.1@2725,2270
  Top Layer w40: C15.1@2058.07,3625 2058.07,3831.14 C31.1@2125,3898.07 2136.23,3898.07 U4.2@2228.16,3990 U4.2@2487.95,3990
  Bottom Layer w8: R1.2@2825,2510.59 2825,2760 v1(2930,2865) ; v1(2874.41,2995) 2930,2939.42 v1(2930,2865) ; R2.2@2925,2510.59 2930,2515.58 v1(2930,2865)
  Bottom Layer w20: v1(1306.85,2655) 1576.28,2655 v1(1740.64,2490.64) ; C20.1@1770,3635 1780,3625 v1(2060,3625) ; v2(2270,2395) 2550,2395 2600,2445 2600,2635 ; v1(2600,2660) 2600,2635 ; C1.2@2725,2510 2600,2635
  other v2: 1695,3610 1720,3610 1670,3610.59 1670,3635 1695,3635
VCCA: C16.1 JP11.1 JP12.1 JP13.1 JP14.1 L1.1 R3.1 TP1.1 U1.22 | length 1139
  Top Layer w8: U1.22@2653.24,3227.17 2767.17,3227.17 TP1.1@2790,3250 2908.82,3250 L1.1@2910,3251.18 2912.53,3251.18 2991.93,3330.59 3050,3388.66 3050,3620 JP14.1@3120,3690 JP13.1@3235,3690 JP12.1@3350,3690 JP11.1@3465,3690
VIN: C27.2 E4.1 F1.2 L2.1 U3.9
pads on no net: Designator4.1 Designator5.1 Designator6.1 Designator7.1 JP2.0 JP3.0 RP1.3 U1.4 U1.7 U1.26 U1.30 U1.32 U1.33 U1.34 U1.35 U1.36 U1.37 U1.38 U1.39 U1.40 U1.41 U1.42 U1.43 U1.44 U1.45 U1.46 U1.47 U1.48 U1.55 U1.56 U1.57 U1.58 U1.61 U1.62 U1.70 U1.71 U1.81 U1.82 U1.84 U1.85 U1.86 U1.87 U1.88 U1.96

## Polygon pours and split planes (outlines as drawn)
GND on Top Layer "GND_L01_P046" (solid, remove dead copper, pour order 46): 3675,5000 2315,5000 2315,3905 3675,3905
PGND on Top Layer "PGND_L01_P040" (solid, remove dead copper, pour order 40): 1000,5000 2315,5000 2315,4575 2780,4575 2780,4090 1000,4090
VIN on Top Layer "VIN_L01_P024" (solid, remove dead copper, pour order 24): 1310,4890 1700,4890 1700,4510 1770,4440 2180,4440 2220,4440 2220,4280 1310,4280
NetJP6_2 on Top Layer "NETJP6_2_L01_P034" (solid, remove dead copper, pour order 34): 1515,3565 1300,3565 1230,3495 1050,3495 1050,3410 1230,3410 1345,3525 1515,3525
NetJP6_1 on Top Layer "NETJP6_1_L01_P036" (solid, remove dead copper, pour order 36): 1515,3465 1305,3465 1235,3395 1050,3395 1050,3315 1230,3315 1335,3420 1515,3420
NetJP5_1 on Top Layer "NETJP5_1_L01_P032" (solid, remove dead copper, pour order 32): 1515,3615 1340,3615 1250,3705 1050,3705 1050,3625 1250,3625 1300,3575 1515,3575
NetJP5_2 on Top Layer "NETJP5_2_L01_P030" (solid, remove dead copper, pour order 30): 1520,3675 1300,3675 1255,3720 1050,3720 1050,3810 1255,3810 1340,3725 1520,3725
+12V on Top Layer "+12V_L01_P028" (solid, remove dead copper, pour order 28): 2320,4604.93 2695,4604.93 2695,4690 3085,4690 3085,4360 2460,4360 2460,4410 2320,4410
NetC26_2 on Top Layer "NETC26_2_L01_P026" (solid, remove dead copper, pour order 26): 1700,4890 2070,4890 2070,4580 2225,4580 2225,4440 1700,4440
NetF1_1 on Top Layer "NETF1_1_L01_P020" (solid, remove dead copper, pour order 20): 1295,4360 1665,4360 1755,4270 1980,4270 1980,3975 1295,3975
NetJP7_2 on Top Layer "NETJP7_2_L01_P018" (solid, remove dead copper, pour order 18): 1000,4755 1295,4755 1295,3975 1000,3975
GND on Bottom Layer "GND_L02_P044" (solid, remove dead copper, pour order 44): 1000,5000 1000,2200 3675,2200 3675,5000
PGND on Bottom Layer "PGND_L02_P042" (solid, remove dead copper, pour order 42): 1000,5000 1000,3255 1655,3255 1660,3255 1660,5000

## Keep-outs
Keep-Out Layer:
  the board outline again, w10

## Other copper
Top Layer:
  rectangle net GND: 1655,3475 1725,3565
  rectangle net GND: 1655,3545 1805,3565
  rectangle net PGND: 1440,3470 1565,3515
  rectangle net PGND: 1525,3470 1565,3670
  rectangle net PGND: 1445,3625 1565,3670
  rectangle net +12V: 1575,3420 1805,3465
  rectangle net +12V: 1575,3700 1805,3750
  rectangle net +12V: 1575,3420 1640,3725
  rectangle net VCC: 1655,3575 1725,3660
  rectangle net VCC: 1655,3575 1805,3620
Bottom Layer:
  rectangle net +12V: 1450,3595 1640,3660
  rectangle net VCC: 1655,3595 1800,3660

## Text inside footprints (layer, text, board x,y; h text height)
JP1: Top Overlay "2" at 2625,2350 h40; Top Overlay "1" at 2635,2250 h40; Top Overlay "18" at 3595,2360 h40; Top Overlay "17" at 3595,2250 h40